# KiCad board PROC099A_PCB-PcbDoc.kicad_pcb (continued)
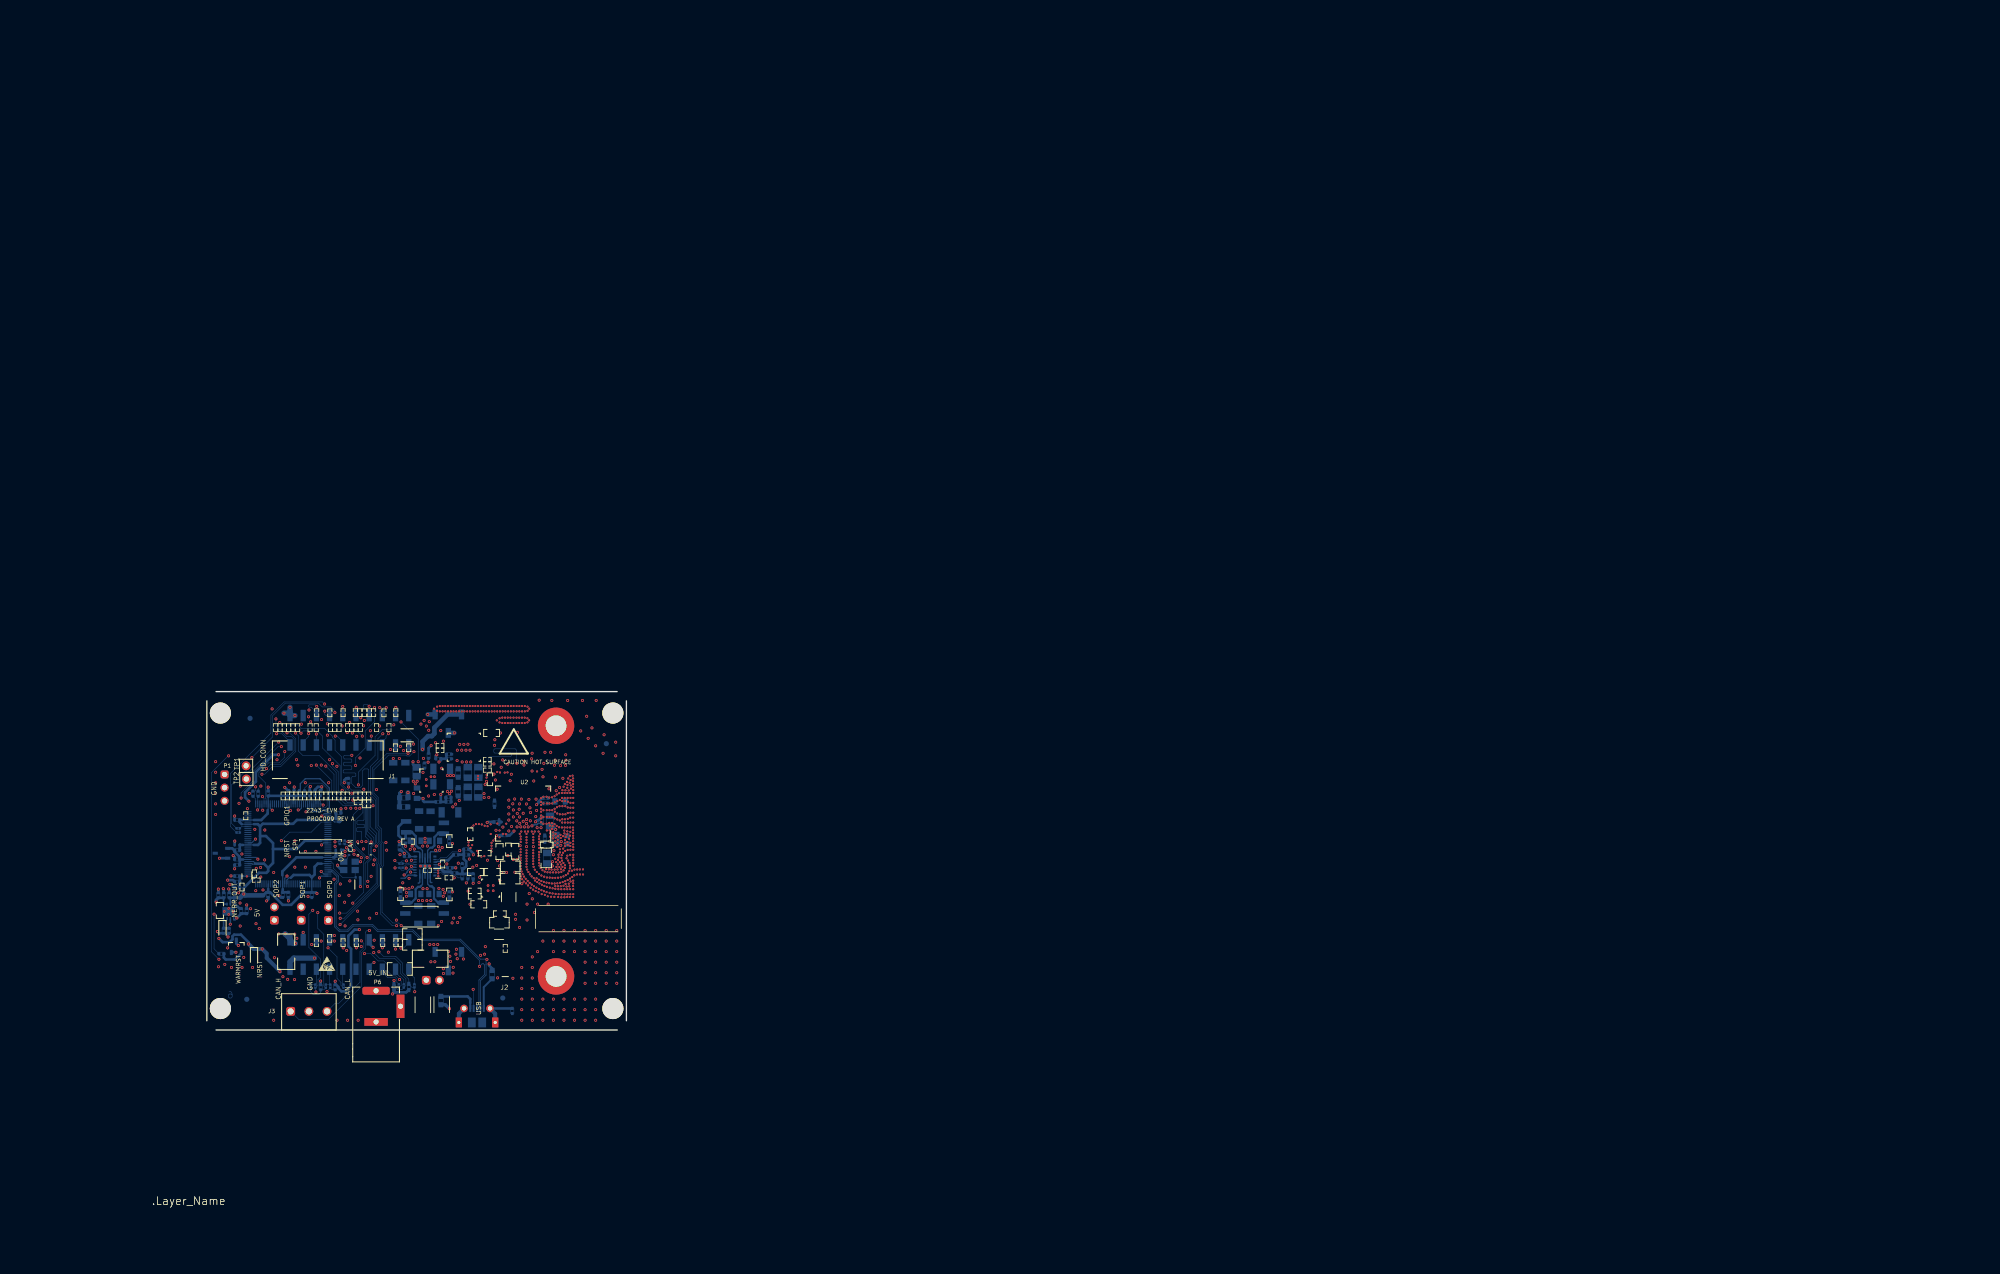
[diagram p0: board, top side]
## Routing (per net, layer and track width the routed paths; a pad name or vN(x,y) marks a point on that pad's centre or on a via; arc(x,y) is an arc through that point) (continued)
 43.29,46.5 43.63,46.5 ; 43.74,47.3 44.09,47.3 ; 43.96,45.38 44.16,45.38 ; 45.51,48.91 45.85,48.91 ; 44.95,49.42 45.58,49.42 ; 45.89,46.04 46.11,46.04 ; 44.26,48.21 44.6,48.21 ; 41.62,43.55 41.97,43.55 ; 44.89,45.4 45.1,45.4 ; 43.48,46.83 43.82,46.83 ; 42.86,45.73 43.2,45.73 ; 46.49,47.09 46.84,47.09 ; 45.71,48.55 46.05,48.55 ; 45.88,48.23 46.22,48.23 ; 43.95,45.43 44.15,45.43 ; 44.29,44.4 44.5,44.4 ; 41.95,44.14 42.3,44.14 ; 42.37,44.87 42.71,44.87 ; 44.29,43.9 44.5,43.9 ; 48.21,43.9 48.55,43.9 ; 46.01,47.99 46.35,47.99 ; 43.16,46.27 43.51,46.27 ; 42.31,44.77 42.65,44.77 ; 43.98,45.21 44.18,45.21 ; 47.06,46.05 47.4,46.05 ; 46.18,44.18 46.38,44.18 ; 44.9,45.7 45.11,45.7 ; 45.82,45.75 46.02,45.75 ; 47.33,45.54 47.67,45.54 ; 46.68,46.75 47.02,46.75 ; 46.13,43.85 46.33,43.85 ; 47.21,45.77 47.55,45.77 ; 45.02,44.89 45.25,44.89 ; 48.1,44.12 48.44,44.12 ; 45.05,44.83 45.27,44.83 ; 42.04,44.29 42.38,44.29 ; 45.76,48.44 46.11,48.44 ; 46.99,46.16 48.69,43.01 ; 46.99,46.16 47.33,46.16 ; 45.84,45.13 46.06,45.13 ; 45.94,46.15 46.16,46.15 ; 44.92,45.82 45.13,45.82 ; 44.02,45.02 44.24,45.02 ; 45.83,45.83 46.04,45.83 ; 44.92,45.8 45.12,45.8 ; 45.94,44.87 46.16,44.87 ; 47.43,45.35 47.77,45.35 ; 43.11,46.18 43.46,46.18 ; 44.89,45.53 45.1,45.53 ; 44.91,45.24 45.12,45.24 ; 42.36,44.85 42.7,44.85 ; 45.58,48.77 45.93,48.77 ; 45.62,48.71 45.96,48.71 ; 46.22,43.73 46.25,43.73 ; 46.63,46.84 46.97,46.84 ; 41.41,43.16 41.74,43.16 ; 44.9,45.68 45.1,45.68 ; 46.3,47.44 46.65,47.44 ; 44.2,44.64 44.42,44.64 ; 43.16,46.26 43.5,46.26 ; 46.17,44.07 46.38,44.07 ; 48.33,43.69 48.67,43.69 ; 44.2,48.09 44.54,48.09 ; 44.11,44.82 44.33,44.82 ; 44.19,44.66 44.41,44.66 ; 46.05,47.91 46.39,47.91 ; 45.88,45.01 46.1,45.01 ; 45.47,48.98 45.82,48.98 ; 45.81,45.61 46.01,45.61 ; 42.6,45.28 42.95,45.28 ; 41.99,44.21 42.34,44.21 ; 44.45,48.53 44.79,48.53 ; 43.72,47.26 44.07,47.26 ; 43.21,46.35 43.55,46.35 ; 44.11,46.2 44.34,46.2 ; 44.3,48.28 44.64,48.28 ; 44.24,48.17 44.58,48.17 ; 42.12,44.44 42.47,44.44 ; 46.22,47.59 46.57,47.59 ; 48.61,43.16 48.95,43.16 ; 48.29,43.77 48.63,43.77 ; 45.17,46.38 45.27,46.38 ; 45.4,49.11 45.75,49.11 ; 45.31,49.28 45.65,49.28 ; 46.17,44.32 46.37,44.32 ; 45.23,43.9 45.44,43.9 ; 46.43,47.21 46.77,47.21 ; 44.14,47.99 44.48,47.99 ; 45.92,46.11 46.14,46.11 ; 48.68,43.03 49.02,43.03 ; 44.99,44.97 45.21,44.97 ; 44.25,44.51 44.47,44.51 ; 44.27,44.46 44.49,44.46 ; 44,45.88 44.2,45.88 ; 45.26,44.1 45.47,44.1 ; 45.85,45.11 46.07,45.11 ; 45.39,49.14 45.73,49.14 ; 45.8,45.58 46,45.58 ; 46.42,47.22 46.77,47.22 ; 46.59,46.92 46.93,46.92 ; 41.79,43.86 42.14,43.86 ; 43.97,45.24 44.17,45.24 ; 44.89,45.63 45.1,45.63 ; 44.93,45.85 45.13,45.85 ; 47.58,45.08 47.92,45.08 ; 48.01,44.28 48.35,44.28 ; 43.33,46.56 43.67,46.56 ; 43.96,45.31 44.16,45.31 ; 47.45,45.32 47.79,45.32 ; 45.63,48.69 45.97,48.69 ; 47.26,45.68 47.6,45.68 ; 47.51,45.22 47.84,45.22 ; 48.49,43.39 48.83,43.39 ; 41.54,43.4 41.88,43.4 ; 48.22,43.9 48.56,43.9 ; 46.84,46.45 47.18,46.45 ; 46.25,47.54 46.59,47.54 ; 45.29,49.32 45.63,49.32 ; 44.37,48.4 44.71,48.4 ; 43.99,45.13 44.2,45.13 ; 43.11,46.17 43.45,46.17 ; 47.37,45.46 47.71,45.46 ; 46.08,44.59 46.29,44.59 ; 42.71,45.47 43.05,45.47 ; 45.75,48.47 46.09,48.47 ; 41.33,43.03 41.67,43.03 ; 42.06,44.34 42.41,44.34 ; 47.31,45.58 47.65,45.58 ; 42.95,45.9 43.3,45.9 ; 47.27,45.65 47.61,45.65 ; 46.73,46.66 47.07,46.66 ; 41.85,43.96 42.2,43.96 ; 44.32,44.05 44.52,44.05 ; 43.3,46.52 43.64,46.52 ; 44.98,45 45.2,45 ; 43.77,47.34 44.11,47.34 ; 45.25,43.98 45.45,43.98 ; 47.01,46.14 47.35,46.14 ; 46.12,47.78 46.47,47.78 ; 43.96,45.68 44.16,45.68 ; 47.75,44.76 48.09,44.76 ; 46.17,44.09 46.38,44.09 ; 48.36,43.64 48.7,43.64 ; 42.75,45.54 43.09,45.54 ; 42.05,44.32 42.4,44.32 ; 43.22,46.38 43.57,46.38 ; 42.26,44.69 42.61,44.69 ; 45.67,48.62 46.01,48.62 ; 44.75,49.06 45.09,49.06 ; 44.89,45.6 45.1,45.6 ; 44.33,44.2 44.52,44.2 ; 48.42,43.51 48.76,43.51 ; 43.32,46.55 43.66,46.55 ; 46.14,43.89 46.34,43.89 ; 45.28,49.33 45.63,49.33 ; 46.73,46.65 47.07,46.65 ; 43.59,47.03 43.94,47.03 ; 48.17,43.98 48.51,43.98 ; 46.15,43.78 46.31,43.78 ; 42,44.22 42.34,44.22 ; 46.92,46.31 47.26,46.31 ; 43.51,46.89 43.86,46.89 ; 43.57,47 43.92,47 ; 48.18,43.97 48.52,43.97 ; 43.76,47.32 44.1,47.32 ; 44.48,48.59 44.82,48.59 ; 45.19,44.54 45.4,44.54 ; 44.43,48.5 44.77,48.5 ; 47.52,45.19 47.86,45.19 ; 41.5,43.34 41.84,43.34 ; 46.17,44.14 46.38,44.14 ; 45.01,46.12 45.23,46.12 ; 44.11,46.19 44.34,46.19 ; 48.55,43.28 48.89,43.28 ; 45.77,48.43 46.11,48.43 ; 48.48,43.41 48.82,43.41 ; 44.78,49.12 45.12,49.12 ; 41.96,44.15 42.3,44.15 ; 45.54,48.85 45.88,48.85 ; 41.82,43.9 42.16,43.9 ; 42.04,44.3 42.39,44.3 ; 44.9,49.33 45.24,49.33 ; 44.66,48.91 45,48.91 ; 45.89,44.99 46.11,44.99 ; 46.2,47.64 46.54,47.64 ; 43.97,45.77 44.18,45.77 ; 45.28,43.74 45.36,43.74 ; 46.94,46.26 47.28,46.26 ; 47.5,45.23 47.83,45.23 ; 42.14,44.47 42.49,44.47 ; 46.23,47.57 46.58,47.57 ; 44.3,43.93 44.51,43.93 ; 45.88,46.02 46.1,46.02 ; 46.1,47.82 46.45,47.82 ; 43.91,47.59 44.25,47.59 ; 46.16,44 46.37,44 ; 43.97,45.23 44.18,45.23 ; 41.24,42.85 49.1,42.85 ; 46.3,47.45 46.64,47.45 ; 48.67,42.97 45.18,42.97 42.69,42.97 41.66,42.97 ; 47.96,44.38 48.3,44.38 ; 44.12,44.79 44.35,44.79 ; 48.4,43.55 48.74,43.55 ; 45.15,49.75 45.37,49.75 ; 43.09,46.14 43.43,46.14 ; 47.71,44.83 48.05,44.83 ; 48.4,43.56 48.74,43.56 ; 41.55,43.42 41.89,43.42 ; 45.38,49.15 45.73,49.15 ; 45.85,48.29 46.19,48.29 ; 44.54,48.69 44.87,48.69 ; 44.33,44.16 44.52,44.16 ; 45,44.95 45.22,44.95 ; 44.32,44.22 44.52,44.22 ; 46.16,43.98 46.36,43.98 ; 42.76,45.56 43.1,45.56 ; 48.66,43.07 49,43.07 ; 46.98,46.18 47.32,46.18 ; 45.25,44.01 45.46,44.01 ; 44.13,46.23 44.35,46.23 ; 44.14,46.26 44.37,46.26 ; 44.3,44.37 44.51,44.37 ; 45.26,44.32 45.46,44.32 ; 45.87,45.97 46.08,45.97 ; 48.02,44.26 48.36,44.26 ; 45.92,48.15 46.26,48.15 ; 44.11,47.94 44.45,47.94 ; 42.81,45.66 43.16,45.66 ; 45.89,44.98 46.12,44.98 ; 46.19,43.74 46.27,43.74 ; 45.26,44.09 45.47,44.09 ; 46.5,47.08 46.84,47.08 ; 41.47,43.28 41.81,43.28 ; 44.94,45.13 45.15,45.13 ; 48.46,43.46 48.8,43.46 ; 44.07,47.88 44.41,47.88 ; 46.1,47.83 46.44,47.83 ; 46.15,43.92 46.35,43.92 ; 46.7,46.71 47.04,46.71 ; 46.59,46.91 46.94,46.91 ; 45.04,44.86 45.26,44.86 ; 47.46,45.29 47.8,45.29 ; 47.43,45.36 47.77,45.36 ; 47.8,44.67 48.14,44.67 ; 45.26,44.28 45.47,44.28 ; 45.26,44.06 45.47,44.06 ; 43.96,45.3 44.16,45.3 ; 46.71,46.68 47.06,46.68 ; 46,46.28 46.22,46.28 ; 46.36,47.34 46.7,47.34 ; 43.35,46.6 43.69,46.6 ; 41.24,42.75 49.1,42.75 ; 42.36,44.86 42.71,44.86 ; 43.98,45.81 44.18,45.81 ; 46.16,43.96 46.36,43.96 ; 42.37,44.88 42.72,44.88 ; 46.53,47.02 46.87,47.02 ; 44.94,45.91 45.15,45.91 ; 43.95,45.53 44.15,45.53 ; 41.89,44.02 42.23,44.02 ; 44.04,44.96 44.26,44.96 ; 48.44,43.48 48.78,43.48 ; 47.33,45.55 47.67,45.55 ; 47.23,45.73 47.57,45.73 ; 45.44,49.04 45.78,49.04 ; 41.67,43.64 42.02,43.64 ; 42.33,44.8 42.68,44.8 ; 43,45.99 43.35,45.99 ; 45.25,44.35 45.46,44.35 ; 48.54,43.3 48.88,43.3 ; 41.38,43.11 41.72,43.11 ; 44.39,48.43 44.73,48.43 ; 44.34,48.34 44.68,48.34 ; 43.51,46.88 43.85,46.88 ; 45.01,49.52 45.52,49.52 ; 44.92,45.2 45.13,45.2 ; 46.8,46.53 47.14,46.53 ; 45.15,46.37 45.28,46.37 ; 43.53,46.93 43.88,46.93 ; 45.15,44.64 45.36,44.64 ; 47.6,45.04 47.94,45.04 ; 45.1,49.67 45.43,49.67 ; 46.17,44.3 46.38,44.3 ; 42.3,44.76 42.65,44.76 ; 45.26,44.33 45.46,44.33 ; 42.91,45.82 43.25,45.82 ; 44.9,45.71 45.11,45.71 ; 45.25,43.97 45.45,43.97 ; 47.51,45.21 47.85,45.21 ; 44.96,46 45.18,46 ; 45.8,45.55 46,45.55 ; 45.78,48.41 46.12,48.41 ; 45.26,44.07 45.47,44.07 ; 45.91,48.18 46.25,48.18 ; 47.36,45.49 47.7,45.49 ; 42.29,44.73 42.63,44.73 ; 48.62,43.15 48.96,43.15 ; 44.1,44.84 44.32,44.84 ; 45.81,45.32 46.02,45.32 ; 45.72,48.53 46.06,48.53 ; 46.91,46.32 47.25,46.32 ; 43.95,45.54 44.15,45.54 ; 44.05,47.83 44.39,47.83 ; 44.59,48.77 44.92,48.77 ; 41.63,43.57 41.98,43.57 ; 45.05,46.2 45.28,46.2 ; 43.95,45.44 44.15,45.44 ; 44.41,48.47 44.75,48.47 ; 44.28,43.78 44.46,43.78 ; 42.24,44.65 42.59,44.65 ; 45.25,44 45.46,44 ; 47.14,45.89 47.48,45.89 ; 47.88,44.53 48.22,44.53 ; 48.32,43.7 48.66,43.7 ; 42.65,45.37 43,45.37 ; 47.73,44.8 48.07,44.8 ; 47.55,45.13 47.89,45.13 ; 44.67,48.92 45.01,48.92 ; 48.27,43.81 48.61,43.81 ; 45.86,45.09 46.07,45.09 ; 47.09,45.98 47.44,45.98 ; 43.93,47.62 44.27,47.62 ; 42.72,45.5 43.07,45.5 ; 46.65,46.81 46.99,46.81 ; 46.04,46.34 46.22,46.34 ; 46.27,47.5 46.61,47.5 ; 46,48.01 46.34,48.01 ; 45.23,43.87 45.43,43.87 ; 46.12,44.47 46.34,44.47 ; 44.94,45.12 45.15,45.12 ; 46.71,46.69 47.05,46.69 ; 45.87,45.06 46.08,45.06 ; 43.81,47.41 44.15,47.41 ; 41.69,43.67 42.03,43.67 ; 45.83,45.22 46.04,45.22 ; 43.58,47 43.92,47 ; 41.24,42.83 49.1,42.83 ; 45.24,43.92 45.44,43.92 ; 41.55,43.43 41.89,43.43 ; 44.74,49.05 45.08,49.05 ; 43.96,45.37 44.16,45.37 ; 46.36,47.35 46.7,47.35 ; 42.77,45.59 43.12,45.59 ; 45.21,44.48 45.42,44.48 ; 45.8,45.46 46,45.46 ; 43.88,47.53 44.22,47.53 ; 41.24,42.84 49.1,42.84 ; 45.81,45.34 46.01,45.34 ; 45.9,48.19 46.24,48.19 ; 47.72,44.82 48.06,44.82 ; 45.96,44.82 46.19,44.82 ; 44.71,48.99 45.05,48.99 ; 45.09,44.75 45.32,44.75 ; 45.22,44.45 45.43,44.45 ; 44.3,43.75 44.44,43.75 ; 46.4,47.26 46.75,47.26 ; 46.11,44.5 46.33,44.5 ; 44.98,44.99 45.2,44.99 ; 48.3,43.75 48.64,43.75 ; 41.94,44.12 42.29,44.12 ; 44.15,48 44.49,48 ; 48.26,43.82 48.6,43.82 ; 47.66,44.93 48,44.93 ; 41.56,43.45 41.91,43.45 ; 47.2,45.79 47.53,45.79 ; 46.68,46.74 47.02,46.74 ; 44.93,45.88 45.14,45.88 ; 45.82,45.23 46.03,45.23 ; 43.92,47.61 44.27,47.61 ; 47.59,45.07 47.92,45.07 ; 46.88,46.38 47.22,46.38 ; 44.26,44.48 44.48,44.48 ; 45.88,46.01 46.1,46.01 ; 47.66,44.92 48,44.92 ; 45.1,44.74 45.32,44.74 ; 42.53,45.17 42.88,45.17 ; 44.89,49.3 45.22,49.3 ; 45.03,46.17 45.26,46.17 ; 41.57,43.46 41.91,43.46 ; 44.38,48.41 44.72,48.41 ; 45.14,46.36 45.29,46.36 ; 44.24,44.55 44.46,44.55 ; 48.38,43.6 48.72,43.6 ; 48.09,44.13 48.43,44.13 ; 45.35,49.21 45.69,49.21 ; 43.04,46.06 43.38,46.06 ; 47.42,45.37 47.76,45.37 ; 45.99,44.77 46.22,44.77 ; 46.02,47.96 46.37,47.96 ; 44.11,44.81 44.33,44.81 ; 45.89,48.22 46.23,48.22 ; 45.17,44.58 45.39,44.58 ; 46.54,47 46.88,47 ; 46.54,47.01 46.88,47.01 ; 43.52,46.91 43.87,46.91 ; 47.28,45.63 47.62,45.63 ; 43.66,47.15 44,47.15 ; 48.27,43.8 48.61,43.8 ; 45.51,48.9 45.86,48.9 ; 45.89,46.05 46.11,46.05 ; 45.96,48.08 46.3,48.08 ; 46.02,44.72 46.24,44.72 ; 46.18,44.17 46.38,44.17 ; 44.28,44.43 44.5,44.43 ; 45.12,46.33 45.31,46.33 ; 45.96,48.07 46.31,48.07 ; 47.35,45.5 47.69,45.5 ; 44.06,46.08 44.28,46.08 ; 45.28,49.34 45.62,49.34 ; 44.31,43.99 44.51,43.99 ; 41.93,44.1 42.28,44.1 ; 44.89,45.46 45.1,45.46 ; 43.06,46.1 43.41,46.1 ; 42.51,45.12 42.85,45.12 ; 48.58,43.22 48.92,43.22 ; 42.27,44.7 42.61,44.7 ; 48.69,42.99 49.04,42.99 ; 45.6,48.75 45.94,48.75 ; 44.94,45.11 45.15,45.11 ; 44.29,48.26 44.63,48.26 ; 48.42,43.52 48.76,43.52 ; 45.16,44.61 45.38,44.61 ; 47.57,45.1 47.91,45.1 ; 45.08,46.26 45.31,46.26 ; 43.79,47.38 44.13,47.38 ; 44.16,44.71 44.39,44.71 ; 47.3,45.6 47.64,45.6 ; 45.12,44.7 45.34,44.7 ; 46.39,47.29 46.73,47.29 ; 46.02,47.97 46.36,47.97 ; 45.94,48.12 46.28,48.12 ; 46.55,47 46.89,47 ; 45.53,48.88 45.87,48.88 ; 45.15,44.63 45.37,44.63 ; 43.87,47.51 44.21,47.51 ; 45.95,46.17 46.17,46.17 ; 45.18,44.56 45.4,44.56 ; 44.92,49.36 45.61,49.36 ; 44.3,43.95 44.51,43.95 ; 47.62,45 47.96,45 ; 43.36,46.62 43.71,46.62 ; 44.13,44.77 44.36,44.77 ; 45.13,49.73 45.4,49.73 ; 46.02,46.31 46.23,46.31 ; 48.67,43.05 49.01,43.05 ; 44.97,46.02 45.18,46.02 ; 45.25,44.37 45.45,44.37 ; 47.03,46.11 47.37,46.11 ; 44.17,44.69 44.4,44.69 ; 44.04,46.02 44.25,46.02 ; 44.27,46.38 44.28,46.38 ; 42.27,44.71 42.62,44.71 ; 44.05,46.07 44.28,46.07 ; 45.14,49.74 45.39,49.74 ; 43.95,45.45 44.15,45.45 ; 44.12,47.96 44.46,47.96 ; 42.16,44.5 42.5,44.5 ; 45.93,46.14 46.16,46.14 ; 44.17,44.7 44.39,44.7 ; 46.52,47.03 46.87,47.03 ; 46.07,44.6 46.29,44.6 ; 41.92,44.08 42.27,44.08 ; 44.68,48.93 45.01,48.93 ; 45.2,44.51 45.41,44.51 ; 42.42,44.96 42.76,44.96 ; 41.48,43.29 41.82,43.29 ; 44.31,43.97 44.51,43.97 ; 48.02,44.27 48.36,44.27 ; 44.29,44.41 44.5,44.41 ; 48.39,43.57 48.73,43.57 ; 41.29,42.95 49.06,42.95 ; 41.32,43.02 41.66,43.02 ; 46.86,46.42 47.2,46.42 ; 45.03,49.55 45.51,49.55 ; 47.24,45.7 47.58,45.7 ; 46.83,46.48 47.17,46.48 ; 42.23,44.63 42.58,44.63 ; 46.15,44.38 46.36,44.38 ; 47.77,44.73 48.11,44.73 ; 42.85,45.72 43.2,45.72 ; 47.08,46.01 47.42,46.01 ; 44.11,44.8 44.34,44.8 ; 46.89,46.35 47.23,46.35 ; 42.39,44.91 42.74,44.91 ; 45.01,44.91 45.24,44.91 ; 42.21,44.59 42.55,44.59 ; 46.37,47.33 46.71,47.33 ; 44.14,46.25 44.36,46.25 ; 45.21,44.49 45.42,44.49 ; 44.06,44.91 44.29,44.91 ; 47.24,45.71 47.58,45.71 ; 48.28,43.79 48.62,43.79 ; 48.36,43.63 48.7,43.63 ; 48.47,43.43 48.81,43.43 ; 45.81,45.7 46.02,45.7 ; 46.19,47.66 46.53,47.66 ; 41.59,43.49 41.93,43.49 ; 46.03,47.95 46.37,47.95 ; 41.28,42.94 49.06,42.94 ; 44.17,48.04 44.51,48.04 ; 42.54,45.18 42.89,45.18 ; 48.38,43.59 48.72,43.59 ; 45.37,49.17 45.72,49.17 ; 43.06,46.09 43.4,46.09 ; 45.81,45.65 46.01,45.65 ; 43.31,46.53 43.65,46.53 ; 44.35,43.72 44.39,43.72 ; 48.68,43.04 49.01,43.04 ; 43.31,46.54 43.66,46.54 ; 43.68,47.18 44.02,47.18 ; 45.86,48.26 46.21,48.26 ; 45.26,44.16 45.47,44.16 ; 41.79,43.85 42.13,43.85 ; 47.9,44.48 48.24,44.48 ; 41.63,43.56 41.97,43.56 ; 43.07,46.11 43.41,46.11 ; 44.1,47.92 44.44,47.92 ; 43.64,47.11 43.98,47.11 ; 44.07,44.89 44.3,44.89 ; 48.6,43.18 48.94,43.18 ; 47.65,44.94 47.99,44.94 ; 46.56,46.98 46.9,46.98 ; 45.25,44.36 45.46,44.36 ; 47.8,44.68 48.14,44.68 ; 46.34,47.38 46.68,47.38 ; 45.8,45.53 46,45.53 ; 45.84,45.86 46.05,45.86 ; 48.41,43.53 48.75,43.53 ; 46.67,46.77 47.01,46.77 ; 45.08,44.78 45.3,44.78 ; 42.83,45.69 43.18,45.69 ; 45.74,48.49 46.08,48.49 ; 46.11,44.52 46.32,44.52 ; 45.45,49.03 45.79,49.03 ; 42.3,44.75 42.64,44.75 ; 44.89,45.61 45.1,45.61 ; 44,45.12 44.2,45.12 ; 45.91,44.95 46.13,44.95 ; 46.03,44.7 46.25,44.7 ; 45.92,46.11 46.14,46.11 ; 41.53,43.38 41.87,43.38 ; 43.19,46.33 43.54,46.33 ; 46.4,47.27 46.74,47.27 ; 47.22,45.74 47.56,45.74 ; 46.94,46.27 47.28,46.27 ; 42.45,45.02 42.8,45.02 ; 45.81,45.35 46.01,45.35 ; 45.86,45.96 46.08,45.96 ; 44.22,46.36 44.33,46.36 ; 47.85,44.57 48.2,44.57 ; 43.95,45.65 44.16,45.65 ; 45.59,48.77 45.93,48.77 ; 47.05,46.06 47.39,46.06 ; 44.12,44.79 44.34,44.79 ; 44.08,47.89 44.43,47.89 ; 47.96,44.37 48.3,44.37 ; 47.89,44.5 48.23,44.5 ; 48.63,43.14 48.96,43.14 ; 47.1,45.97 47.44,45.97 ; 45.22,44.47 45.43,44.47 ; 42.88,45.77 43.22,45.77 ; 46.15,44.4 46.35,44.4 ; 42.03,44.28 42.38,44.28 ; 48.25,43.84 48.59,43.84 ; 48.34,43.67 48.68,43.67 ; 44.28,43.83 44.48,43.83 ; 47.68,44.9 48.01,44.9 ; 44.02,45.97 44.23,45.97 ; 45.26,44.15 45.47,44.15 ; 47.63,44.98 47.97,44.98 ; 44.2,44.62 44.43,44.62 ; 48.68,42.98 49.05,42.98 ; 46.13,44.46 46.34,44.46 ; 43.78,47.37 44.13,47.37 ; 47.9,44.49 48.24,44.49 ; 46.47,47.14 46.81,47.14 ; 45.7,48.56 46.04,48.56 ; 44.06,44.93 44.28,44.93 ; 45.8,45.56 46,45.56 ; 45.82,45.8 46.03,45.8 ; 43.96,47.68 44.3,47.68 ; 42.64,45.35 42.99,45.35 ; 43.64,47.12 43.99,47.12 ; 45.81,45.74 46.02,45.74 ; 45.23,43.78 45.4,43.78 ; 42.91,45.83 43.26,45.83 ; 44.94,45.14 45.14,45.14 ; 43.98,45.19 44.19,45.19 ; 48.32,43.71 48.66,43.71 ; 44.99,44.96 45.22,44.96 ; 42.85,45.71 43.19,45.71 ; 45.81,45.69 46.01,45.69 ; 44.54,48.7 44.88,48.7 ; 46.61,46.88 46.95,46.88 ; 44.03,45.99 44.24,45.99 ; 45.23,43.89 45.43,43.89 ; 44.83,49.21 45.17,49.21 ; 46.22,46.29 46,46.29 arc(45.97,46.23) 45.94,46.16 arc(45.91,46.09) 45.88,46.01 arc(45.86,45.95) 45.84,45.88 arc(45.83,45.84) 45.82,45.79 ; 46.86,46.41 47.2,46.41 ; 43.96,45.28 44.17,45.28 ; 44.02,45.03 44.24,45.03 ; 46.04,47.92 46.39,47.92 ; 45.62,48.72 45.96,48.72 ; 42.06,44.33 42.4,44.33 ; 42.93,45.87 43.28,45.87 ; 44.1,46.17 44.33,46.17 ; 48.04,44.23 48.38,44.23 ; 45.41,49.09 45.76,49.09 ; 45,46.11 45.22,46.11 ; 48.16,44 48.5,44 ; 47.17,45.84 47.51,45.84 ; 46.32,47.41 46.67,47.41 ; 47.05,46.07 47.39,46.07 ; 45.81,45.33 46.02,45.33 ; 44.3,48.27 44.64,48.27 ; 45.85,48.28 46.19,48.28 ; 45.83,45.81 46.04,45.81 ; 45.98,44.79 46.21,44.79 ; 48.08,44.15 48.42,44.15 ; 45.81,45.37 46.01,45.37 ; 46.66,46.79 47,46.79 ; 41.42,43.18 41.76,43.18 ; 42.62,45.32 42.97,45.32 ; 44.53,48.68 44.87,48.68 ; 44.4,48.45 44.74,48.45 ; 42.41,44.94 42.75,44.94 ; 41.86,43.97 42.2,43.97 ; 44.78,49.11 45.11,49.11 ; 44.9,45.72 45.11,45.72 ; 43.44,46.76 43.78,46.76 ; 47.65,44.95 47.99,44.95 ; 43.46,46.79 43.8,46.79 ; 42.45,45.01 42.79,45.01 ; 46.58,46.94 46.92,46.94 ; 41.8,43.88 42.15,43.88 ; 41.98,44.18 42.32,44.18 ; 46.96,46.22 47.3,46.22 ; 46.74,46.64 47.08,46.64 ; 48.44,43.49 48.77,43.49 ; 45.87,45.05 46.09,45.05 ; 41.45,43.25 41.79,43.25 ; 45.25,43.76 45.39,43.76 ; 43.83,47.45 44.18,47.45 ; 46.65,46.8 46.99,46.8 ; 47.04,46.08 47.38,46.08 ; 46.1,44.53 46.32,44.53 ; 45.81,48.35 46.15,48.35 ; 44.89,45.59 45.1,45.59 ; 44.92,49.35 45.25,49.35 ; 43.77,47.35 44.12,47.35 ; 44.82,49.19 45.16,49.19 ; 41.98,44.19 42.33,44.19 ; 44.32,44.3 44.51,44.3 ; 44.23,44.57 44.45,44.57 ; 43.23,46.39 43.57,46.39 ; 47.16,45.85 47.5,45.85 ; 46.76,46.6 47.1,46.6 ; 48.18,43.96 48.52,43.96 ; 44.91,45.73 45.11,45.73 ; 43.88,47.54 44.23,47.54 ; 46.16,44.35 46.37,44.35 ; 43.02,46.03 43.37,46.03 ; 44.89,45.5 45.1,45.5 ; 44.04,47.82 44.38,47.82 ; 41.43,43.2 41.77,43.2 ; 42.65,45.36 42.99,45.36 ; 43.9,47.57 44.24,47.57 ; 44.29,44.39 44.5,44.39 ; 44.02,45.98 44.24,45.98 ; 44.22,44.58 44.44,44.58 ; 45.93,44.9 46.15,44.9 ; 41.78,43.84 42.13,43.84 ; 46.56,46.97 46.9,46.97 ; 46.33,47.39 46.68,47.39 ; 44.64,48.87 44.98,48.87 ; 44.02,45.96 44.23,45.96 ; 46.11,47.81 46.45,47.81 ; 44.24,44.53 44.46,44.53 ; 42.98,45.96 43.33,45.96 ; 47.98,44.35 48.32,44.35 ; 44.23,48.16 44.58,48.16 ; 46.09,44.57 46.3,44.57 ; 42.19,44.55 42.53,44.55 ; 44.31,43.98 44.51,43.98 ; 45.92,44.91 46.15,44.91 ; 45.81,45.3 46.02,45.3 ; 45.75,48.46 46.09,48.46 ; 45.02,46.14 45.24,46.14 ; 47.81,44.65 48.15,44.65 ; 46.45,47.17 46.79,47.17 ; 42.96,45.92 43.31,45.92 ; 45.81,45.4 46.01,45.4 ; 45.94,48.11 46.29,48.11 ; 46.13,43.86 46.34,43.86 ; 48.45,43.47 48.79,43.47 ; 44.32,44.12 44.52,44.12 ; 45.96,46.19 46.18,46.19 ; 42.9,45.8 43.24,45.8 ; 43.1,46.16 43.45,46.16 ; 47.94,44.4 48.28,44.4 ; 45.01,46.11 45.23,46.11 ; 45.54,48.86 45.88,48.86 ; 45.99,48.03 46.33,48.03 ; 46.87,46.4 47.21,46.4 ; 43.98,45.18 44.19,45.18 ; 45.46,49.01 45.8,49.01 ; 45.87,48.24 46.22,48.24 ; 42.52,45.14 42.86,45.14 ; 46.84,46.46 47.18,46.46 ; 46.17,44.26 46.38,44.26 ; 46.61,46.87 46.96,46.87 ; 44.18,44.67 44.4,44.67 ; 43.63,47.1 43.98,47.1 ; 41.56,43.44 41.9,43.44 ; 48.57,43.24 48.91,43.24 ; 44.12,47.95 44.46,47.95 ; 48.53,43.32 48.87,43.32 ; 44.08,44.87 44.31,44.87 ; 42.57,45.23 42.91,45.23 ; 41.24,42.77 49.11,42.77 ; 45.87,48.25 46.21,48.25 ; 47.97,44.35 48.31,44.35 ; 46.11,47.8 46.46,47.8 ; 46.77,46.58 47.11,46.58 ; 46.31,47.44 46.65,47.44 ; 46.85,46.43 47.19,46.43 ; 46.75,46.62 47.09,46.62 ; 43.95,45.42 44.15,45.42 ; 47.23,45.72 47.57,45.72 ; 44.29,43.89 44.5,43.89 ; 41.96,44.16 42.31,44.16 ; 44.31,44.33 44.51,44.33 ; 45.97,48.05 46.32,48.05 ; 42.25,44.66 42.59,44.66 ; 47.74,44.78 48.08,44.78 ; 44.91,45.23 45.12,45.23 ; 43.96,45.33 44.16,45.33 ; 46.69,46.72 47.04,46.72 ; 43.09,46.15 43.44,46.15 ; 44.28,43.84 44.49,43.84 ; 44,45.11 44.21,45.11 ; 41.82,43.9 42.17,43.9 ; 44.95,45.09 45.16,45.09 ; 48.65,43.09 48.99,43.09 ; 47,46.15 47.34,46.15 ; 45.13,44.67 45.35,44.67 ; 46.08,47.87 46.42,47.87 ; 43.27,46.46 43.61,46.46 ; 46.77,46.57 47.11,46.57 ; 45.19,46.39 45.25,46.39 ; 42.96,45.91 43.3,45.91 ; 44.91,49.34 45.25,49.34 ; 44.65,48.89 44.99,48.89 ; 44.31,43.96 44.51,43.96 ; 45.06,46.22 45.29,46.22 ; 44.22,48.14 44.56,48.14 ; 41.3,42.68 49.05,42.68 ; 46.9,46.34 47.24,46.34 ; 43.96,47.67 44.3,47.67 ; 48.12,44.07 48.46,44.07 ; 47.13,45.91 47.47,45.91 ; 48.56,43.27 48.89,43.27 ; 44.81,49.17 45.15,49.17 ; 47.18,45.82 47.52,45.82 ; 45.85,45.93 46.07,45.93 ; 46.16,47.71 46.5,47.71 ; 48.63,43.13 48.97,43.13 ; 42.58,45.24 42.92,45.24 ; 41.88,44 42.22,44 ; 41.35,43.06 41.69,43.06 ; 41.51,43.35 41.85,43.35 ; 45.22,43.84 45.42,43.84 ; 45.24,43.93 45.44,43.93 ; 43.95,45.66 44.16,45.66 ; 41.37,43.09 41.71,43.09 ; 45.26,44.13 45.47,44.13 ; 42.14,44.46 42.48,44.46 ; 44.23,44.56 44.45,44.56 ; 41.29,42.69 49.06,42.69 ; 45.81,45.38 46.01,45.38 ; 45.86,45.95 